# Altium PCB qfc.PcbDoc (part 3 of 13)
Units mil, origin at the board's own origin, x right, y up, seen from the top; angles counter-clockwise.
Board outline 1990 x 2620 mil, 4 copper layers (Top Layer, Mid-Layer 1, Mid-Layer 2, Bottom Layer); 217 components, 187 nets, 805 pads, 370 vias.
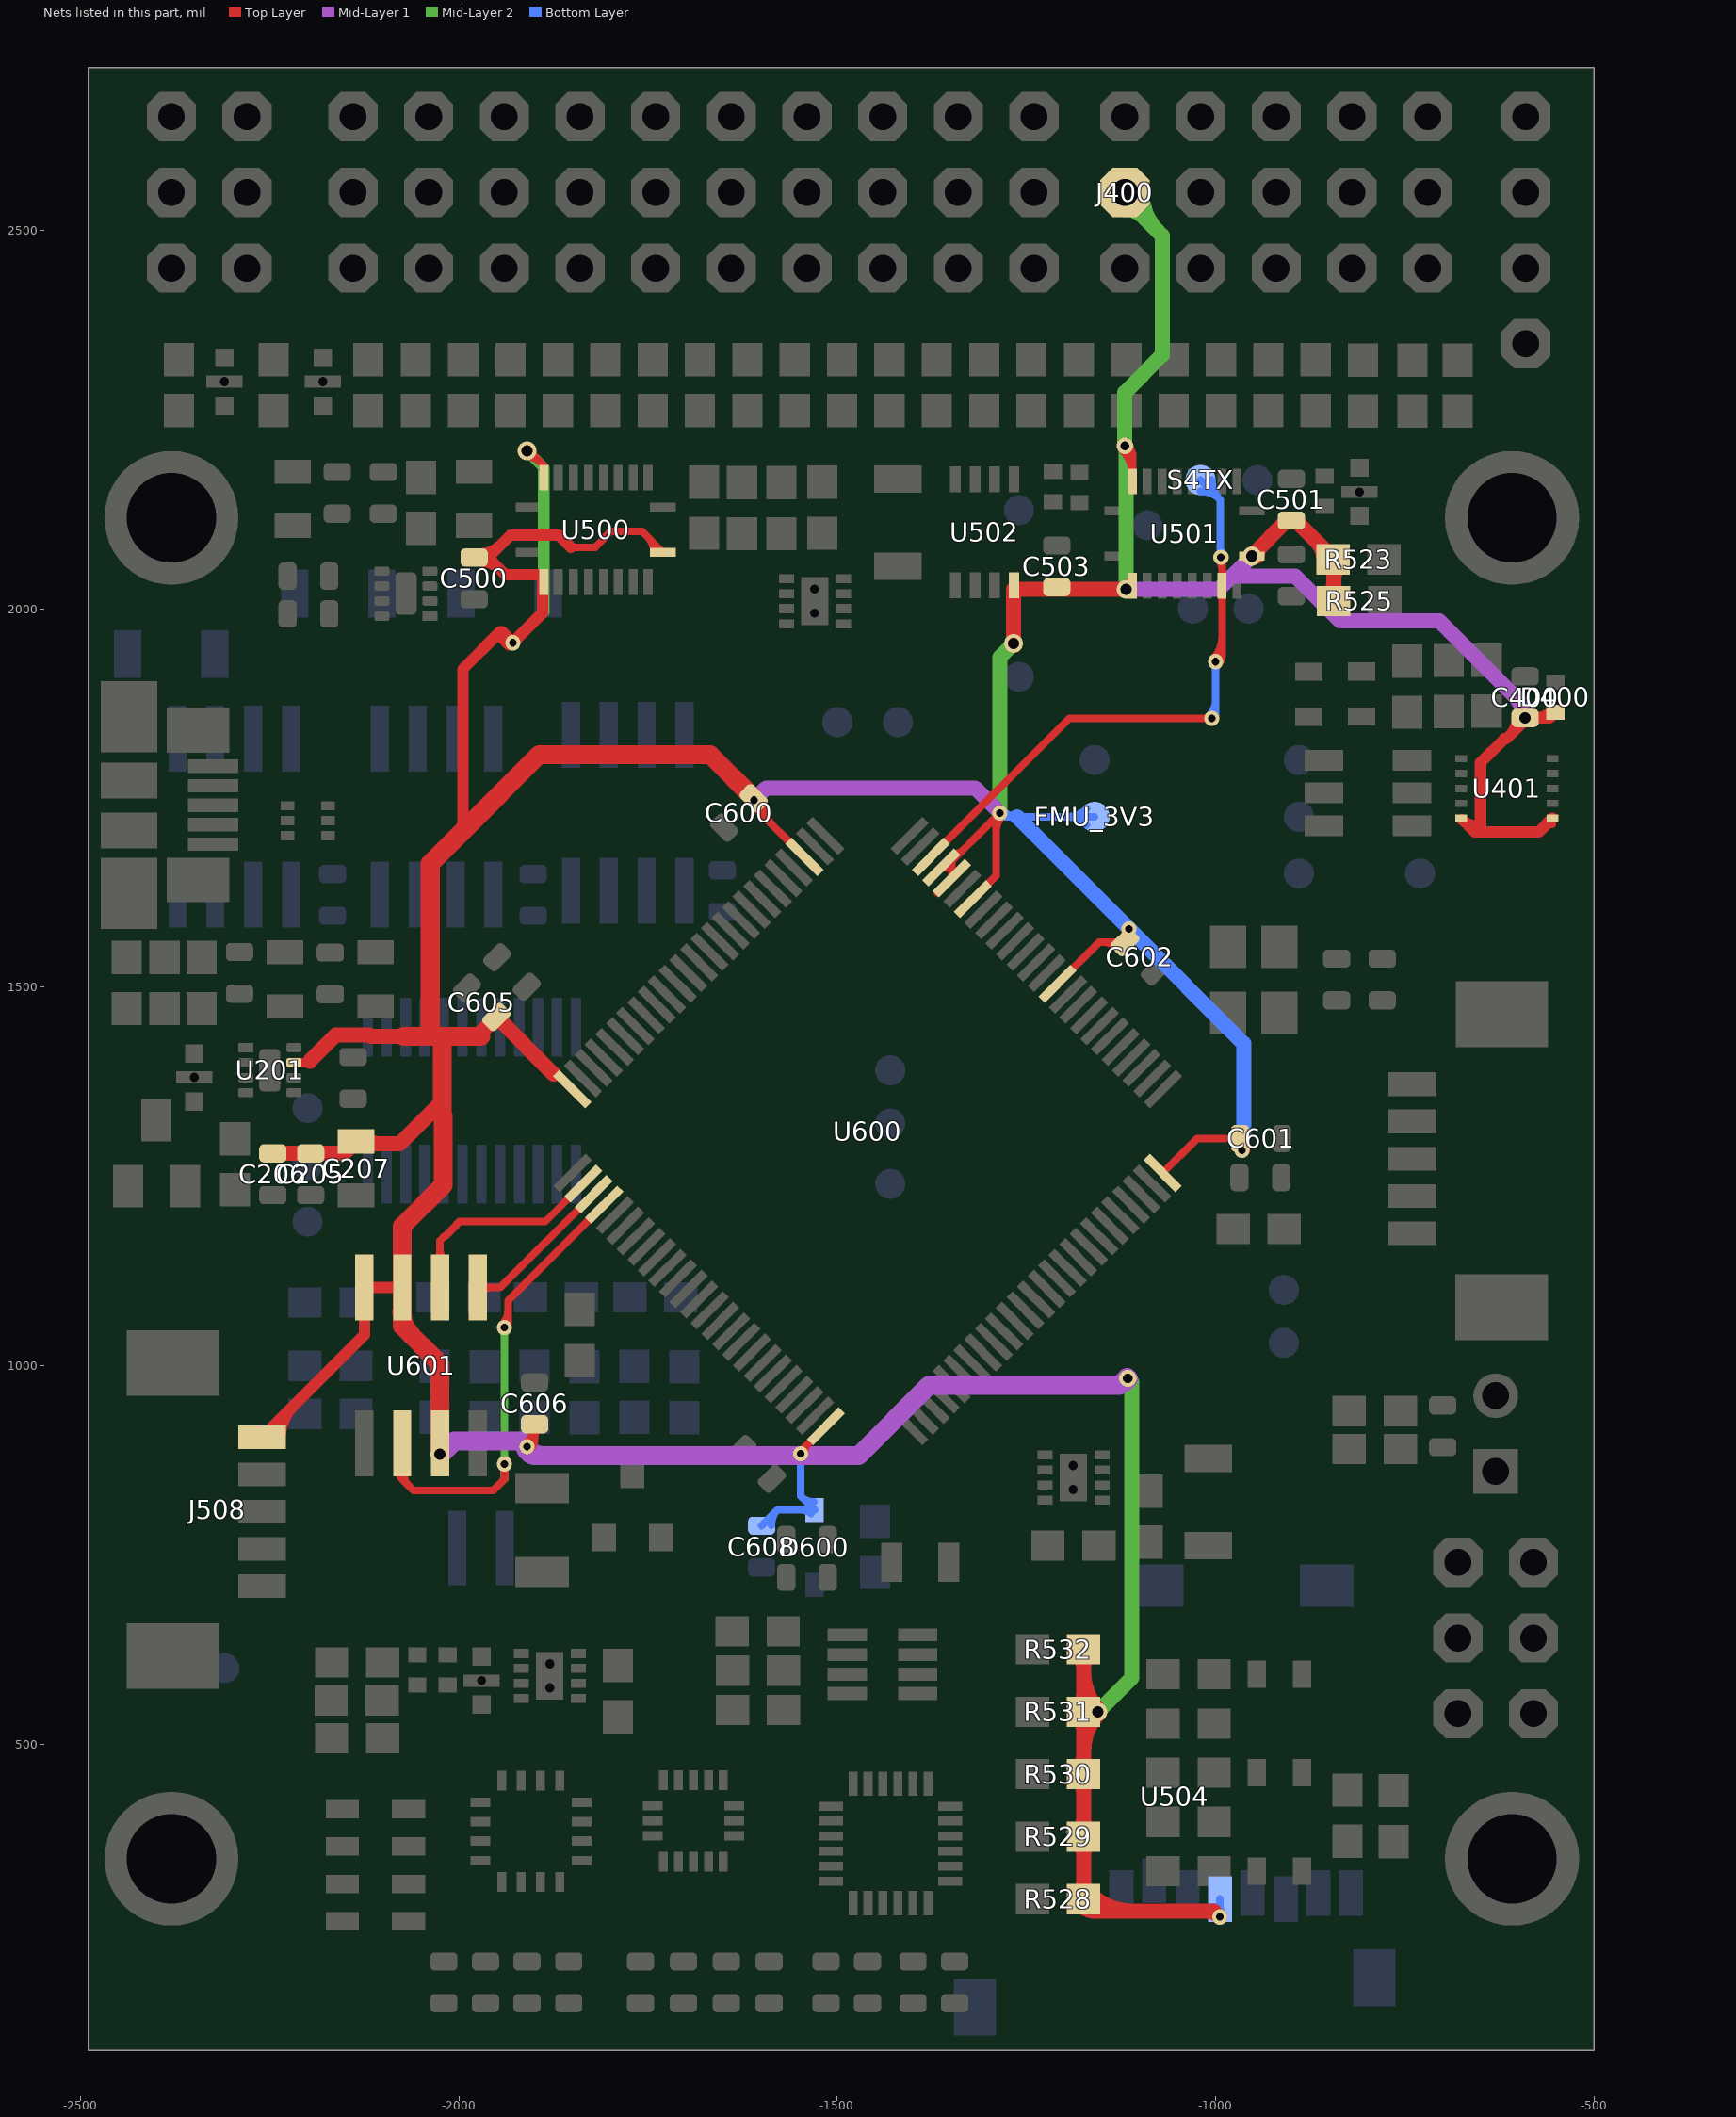
[diagram p5: the nets of this part, all layers, seen from the top]

## Via types
v1: diameter 20, hole 10, Top Layer to Bottom Layer, tented both sides, 256 vias
v2: diameter 22, hole 12, Top Layer to Bottom Layer, tented both sides, 31 vias
v3: diameter 25, hole 15, Top Layer to Bottom Layer, tented both sides, 29 vias
v4: diameter 20, hole 12, Top Layer to Bottom Layer, tented both sides, 17 vias
v5: diameter 30, hole 15, Top Layer to Bottom Layer, tented both sides, 12 vias
v6: diameter 25, hole 12, Top Layer to Bottom Layer, tented both sides, 11 vias
v7: diameter 25, hole 13, Top Layer to Bottom Layer, tented both sides, 5 vias
v8: diameter 40, hole 25, Top Layer to Bottom Layer, tented both sides, 2 vias
v9: diameter 23, hole 13, Top Layer to Bottom Layer, tented both sides, 2 vias
v10: diameter 30, hole 20, Top Layer to Bottom Layer, tented both sides, 2 vias
v11: diameter 20, hole 13, Top Layer to Bottom Layer, tented both sides, 1 vias
v12: diameter 20, hole 15, Top Layer to Bottom Layer, tented both sides, 1 vias
v13: diameter 30, hole 18, Top Layer to Bottom Layer, tented both sides, 1 vias

## Nets (pads, with @x,y where several pads share a name; then routed paths per layer and width w, separated by ;. In a path a pad name is that pad's centre, name@x,y a point inside that pad or via, vN(x,y) a via of type N, cw(c..) or ccw(c..) an arc to the next point about the centre after c; other vN are vias at no path point) (continued)
FMU-UART4_TX: S4TX.P$1 U501.8 U600.23 | length 1534
  Top Layer w10: U600.23@-1376.48,1671.91 -1193.39,1855 v1(-1005,1855) ; v1(-1000,1930) -991.54,1938.46 U501.8@-991.54,2030.06 -991.54,2066.54 v1(-993,2068) ; -1017.07,1855 cw(c-1017.07,1842.93) v1@-1008.54,1851.46 ; -1017.07,1855 ccw(c-1017.07,1867.07) v1@-1008.54,1858.54 ; -1017.07,1855 cw(c-1017.07,1842.93) v1@-1008.54,1851.46 ; -1017.07,1855 ccw(c-1017.07,1867.07) v1@-1008.54,1858.54 ; -1017.07,1855 cw(c-1017.07,1842.93) v1@-1008.54,1851.46 ; -1017.07,1855 ccw(c-1017.07,1867.07) v1@-1008.54,1858.54 ; -1017.07,1855 cw(c-1017.07,1842.93) v1@-1008.54,1851.46 ; -1017.07,1855 ccw(c-1017.07,1867.07) v1@-1008.54,1858.54 ; v1@-1003.54,1933.54 ccw(c-1032.48,1962.48) -991.54,1962.48 ; v1@-1003.54,1933.54 ccw(c-1032.48,1962.48) -991.54,1962.48 ; v1@-1003.54,1933.54 ccw(c-1032.48,1962.48) -991.54,1962.48 ; v1@-1003.54,1933.54 ccw(c-1032.48,1962.48) -991.54,1962.48 ; v1@-996.54,2064.46 cw(c-1008.58,2052.42) -991.54,2052.42 ; v1@-996.54,2064.46 cw(c-1008.58,2052.42) -991.54,2052.42 ; v1@-996.54,2064.46 cw(c-1008.58,2052.42) -991.54,2052.42 ; v1@-996.54,2064.46 cw(c-1008.58,2052.42) -991.54,2052.42 ; v1@-996.46,1926.46 ccw(c-1008.34,1938.34) -991.54,1938.34 ; v1@-996.46,1926.46 ccw(c-1008.34,1938.34) -991.54,1938.34 ; v1@-996.46,1926.46 ccw(c-1008.34,1938.34) -991.54,1938.34 ; v1@-996.46,1926.46 ccw(c-1008.34,1938.34) -991.54,1938.34
  Bottom Layer w10: S4TX.P$1@-1020,2170 -994,2144 -994,2069 v1(-993,2068) ; v1(-1005,1855) -1000,1860 v1(-1000,1930) ; S4TX.P$1@-1020,2155 cw(c-1020,2118.79) -994.39,2144.39 ; S4TX.P$1@-1020,2155 cw(c-1020,2118.79) -994.39,2144.39 ; S4TX.P$1@-1020,2155 cw(c-1020,2118.79) -994.39,2144.39 ; S4TX.P$1@-1020,2155 cw(c-1020,2118.79) -994.39,2144.39 ; v1@-1008.54,1858.54 ccw(c-1029.14,1879.14) -1000,1879.14 ; v1@-1008.54,1858.54 ccw(c-1029.14,1879.14) -1000,1879.14 ; v1@-1008.54,1858.54 ccw(c-1029.14,1879.14) -1000,1879.14 ; v1@-1008.54,1858.54 ccw(c-1029.14,1879.14) -1000,1879.14 ; S4TX.P$1@-1005,2170 ccw(c-968.79,2170) -994.39,2144.39 ; S4TX.P$1@-1005,2170 ccw(c-968.79,2170) -994.39,2144.39 ; S4TX.P$1@-1005,2170 ccw(c-968.79,2170) -994.39,2144.39 ; S4TX.P$1@-1005,2170 ccw(c-968.79,2170) -994.39,2144.39 ; v1@-1003.54,1926.46 cw(c-1012.07,1917.93) -1000,1917.93 ; v1@-1003.54,1926.46 cw(c-1012.07,1917.93) -1000,1917.93 ; v1@-1003.54,1926.46 cw(c-1012.07,1917.93) -1000,1917.93 ; v1@-1003.54,1926.46 cw(c-1012.07,1917.93) -1000,1917.93 ; -1000,1917.93 cw(c-987.93,1917.93) v1@-996.46,1926.46 ; -1000,1917.93 cw(c-987.93,1917.93) v1@-996.46,1926.46 ; -1000,1917.93 cw(c-987.93,1917.93) v1@-996.46,1926.46 ; -1000,1917.93 cw(c-987.93,1917.93) v1@-996.46,1926.46 ; -994,2082.49 ccw(c-978.51,2082.49) v1@-989.46,2071.54 ; -994,2082.49 ccw(c-978.51,2082.49) v1@-989.46,2071.54 ; -994,2082.49 ccw(c-978.51,2082.49) v1@-989.46,2071.54 ; -994,2082.49 ccw(c-978.51,2082.49) v1@-989.46,2071.54
FMU-VDD_3V3: C205.P$1 C206.P$1 C207.1 C400.P$1 C500.P$1 C501.P$1 C503.P$1 C600.P$1 C601.P$1 C602.P$1 C605.P$1 C606.P$1 C608.P$1 D400.C D600.A FMU_3V3.P$1 J400.VCC J508.1 R523.2 R525.2 R528.2 R529.2 R530.2 R531.2 R532.2 U201.7 U401.1 U401.10 U500.2 U500.10 U500.19 U501.2 U501.10 U501.19 U502.8 U504.4 U600.21 U600.22 U600.VDD U601.3 U601.7 U601.8 | length 18393.9
  Top Layer w10: C605.P$1@-1950.51,1460.51 C605.P$1@-1945.68,1460.51 ; v3(-1910.32,2208.68) -1907.68,2208.68 -1888,2189 U500.19@-1888,2173 ; v1(-1910,892.54) -1900,902.54 C606.P$1@-1900,922.44 ; -1852,2081 -1820.11,2081 -1799.11,2102 -1757.95,2102 U500.10@-1730.42,2074.47 ; v1(-1610,1747) -1610,1748.97 C600.P$1@-1610.51,1749.49 -1610.51,1738.9 U600.VDD@-1543.52,1671.91 ; v1@-1548.42,886.41 U600.VDD@-1515.15,919.68 ; U600.21@-1367.71,1625 U600.21@-1348.65,1644.07 U600.22@-1348.65,1666.35 ; U600.22@-1362.56,1657.99 -1357.01,1657.99 -1290,1725 -1290,1647.04 U600.VDD@-1320.81,1616.23 ; U502.8@-1266.61,2031 -1264.05,2028.44 C503.P$1@-1210,2028.44 C503.P$1@-1208.38,2030.06 ; U600.VDD@-1209,1504.43 -1153.94,1559.49 C602.P$1@-1119.49,1559.49 -1119.49,1575.51 -1118,1577 v1(-1114.49,1577) ; v2(-1120,2215) -1109.76,2204.76 U501.19@-1109.76,2167.96 ; U501.2@-1113.76,2030.06 U501.2@-1109.76,2030.06 ; U600.VDD@-1070.23,1254.29 -1024.52,1300 C601.P$1@-967.56,1300 -965,1297.44 v1(-965,1284) ; v3(-952.17,2069.43) C501.P$1@-905.17,2116.44 ; C501.P$1@-900,2116.44 -848.56,2065 R523.2@-845,2065 -844,2064 R525.2@-844,2010 ; U401.10@-675.63,1723 -665.26,1712.63 ; -555,1715 U401.1@-555,1723 ; v1@-1912.99,896.55 ccw(c-1932.3,922.44) C606.P$1@-1900,922.44 ; v1@-1912.99,896.55 ccw(c-1932.3,922.44) C606.P$1@-1900,922.44 ; v1@-1912.99,896.55 ccw(c-1932.3,922.44) C606.P$1@-1900,922.44 ; v1@-1912.99,896.55 ccw(c-1932.3,922.44) C606.P$1@-1900,922.44 ; v3@-1910.32,2201.18 cw(c-1910.32,2176.68) -1893,2194 ; v3@-1910.32,2201.18 cw(c-1910.32,2176.68) -1893,2194 ; v3@-1910.32,2201.18 cw(c-1910.32,2176.68) -1893,2194 ; v3@-1910.32,2201.18 cw(c-1910.32,2176.68) -1893,2194 ; v1@-1907.01,888.53 ccw(c-1917.43,902.51) -1900,902.51 ; v1@-1907.01,888.53 ccw(c-1917.43,902.51) -1900,902.51 ; v1@-1907.01,888.53 ccw(c-1917.43,902.51) -1900,902.51 ; v1@-1907.01,888.53 ccw(c-1917.43,902.51) -1900,902.51 ; C606.P$1@-1904.95,917.49 cw(c-1916.9,905.54) -1900,905.54 ; C606.P$1@-1904.95,917.49 cw(c-1916.9,905.54) -1900,905.54 ; C606.P$1@-1904.95,917.49 cw(c-1916.9,905.54) -1900,905.54 ; C606.P$1@-1904.95,917.49 cw(c-1916.9,905.54) -1900,905.54 ; v3@-1902.82,2208.68 ccw(c-1891.11,2208.68) -1899.39,2200.39 ; v3@-1902.82,2208.68 ccw(c-1891.11,2208.68) -1899.39,2200.39 ; v3@-1902.82,2208.68 ccw(c-1891.11,2208.68) -1899.39,2200.39 ; v3@-1902.82,2208.68 ccw(c-1891.11,2208.68) -1899.39,2200.39 ; -1900,905.54 cw(c-1883.1,905.54) C606.P$1@-1895.05,917.49 ; -1900,905.54 cw(c-1883.1,905.54) C606.P$1@-1895.05,917.49 ; -1900,905.54 cw(c-1883.1,905.54) C606.P$1@-1895.05,917.49 ; -1900,905.54 cw(c-1883.1,905.54) C606.P$1@-1895.05,917.49 ; -1893.24,2194.24 cw(c-1903.48,2184) U500.19@-1889,2184 ; -1893.24,2194.24 cw(c-1903.48,2184) U500.19@-1889,2184 ; -1893.24,2194.24 cw(c-1903.48,2184) U500.19@-1889,2184 ; -1893.24,2194.24 cw(c-1903.48,2184) U500.19@-1889,2184 ; -1750.9,2094.96 cw(c-1771.39,2074.47) U500.10@-1742.42,2074.47 ; -1750.9,2094.96 cw(c-1771.39,2074.47) U500.10@-1742.42,2074.47 ; -1750.9,2094.96 cw(c-1771.39,2074.47) U500.10@-1742.42,2074.47 ; -1750.9,2094.96 cw(c-1771.39,2074.47) U500.10@-1742.42,2074.47 ; U500.10@-1733.83,2077.89 cw(c-1737.25,2074.47) U500.10@-1732.42,2074.47 ; U500.10@-1733.83,2077.89 cw(c-1737.25,2074.47) U500.10@-1732.42,2074.47 ; U500.10@-1733.83,2077.89 cw(c-1737.25,2074.47) U500.10@-1732.42,2074.47 ; U500.10@-1733.83,2077.89 cw(c-1737.25,2074.47) U500.10@-1732.42,2074.47 ; C600.P$1@-1609.27,1745.24 ccw(c-1590.96,1745.24) C600.P$1@-1603.91,1732.3 ; C600.P$1@-1609.27,1745.24 ccw(c-1590.96,1745.24) C600.P$1@-1603.91,1732.3 ; C600.P$1@-1609.27,1745.24 ccw(c-1590.96,1745.24) C600.P$1@-1603.91,1732.3 ; C600.P$1@-1609.27,1745.24 ccw(c-1590.96,1745.24) C600.P$1@-1603.91,1732.3 ; C600.P$1@-1605,1747 ccw(c-1572.14,1747) -1595.38,1723.76 ; C600.P$1@-1605,1747 ccw(c-1572.14,1747) -1595.38,1723.76 ; C600.P$1@-1605,1747 ccw(c-1572.14,1747) -1595.38,1723.76 ; C600.P$1@-1605,1747 ccw(c-1572.14,1747) -1595.38,1723.76 ; C600.P$1@-1599.27,1745.24 ccw(c-1556.82,1745.24) -1586.84,1715.22 ; C600.P$1@-1599.27,1745.24 ccw(c-1556.82,1745.24) -1586.84,1715.22 ; C600.P$1@-1599.27,1745.24 ccw(c-1556.82,1745.24) -1586.84,1715.22 ; C600.P$1@-1599.27,1745.24 ccw(c-1556.82,1745.24) -1586.84,1715.22 ; v1@-1543.42,883.59 cw(c-1524.52,883.59) -1537.88,896.95 ; v1@-1543.42,883.59 cw(c-1524.52,883.59) -1537.88,896.95 ; v1@-1543.42,883.59 cw(c-1524.52,883.59) -1537.88,896.95 ; v1@-1543.42,883.59 cw(c-1524.52,883.59) -1537.88,896.95 ; U600.22@-1345.59,1675.96 ccw(c-1345.59,1691.77) -1334.41,1680.59 ; U600.22@-1345.59,1675.96 ccw(c-1345.59,1691.77) -1334.41,1680.59 ; U600.22@-1345.59,1675.96 ccw(c-1345.59,1691.77) -1334.41,1680.59 ; U600.22@-1345.59,1675.96 ccw(c-1345.59,1691.77) -1334.41,1680.59 ; -1293.54,1721.46 cw(c-1285,1712.93) v1@-1285,1725 ; -1293.54,1721.46 ccw(c-1302.07,1730) v1@-1290,1730 ; -1293.54,1721.46 cw(c-1285,1712.93) v1@-1285,1725 ; -1293.54,1721.46 ccw(c-1302.07,1730) v1@-1290,1730 ; -1293.54,1721.46 cw(c-1285,1712.93) v1@-1285,1725 ; -1293.54,1721.46 ccw(c-1302.07,1730) v1@-1290,1730 ; -1293.54,1721.46 cw(c-1285,1712.93) v1@-1285,1725 ; -1293.54,1721.46 ccw(c-1302.07,1730) v1@-1290,1730 ; -1290,1705.86 cw(c-1260.86,1705.86) v1@-1281.46,1726.46 ; -1290,1705.86 cw(c-1260.86,1705.86) v1@-1281.46,1726.46 ; -1290,1705.86 cw(c-1260.86,1705.86) v1@-1281.46,1726.46 ; -1290,1705.86 cw(c-1260.86,1705.86) v1@-1281.46,1726.46 ; U502.8@-1265.2,2032.41 ccw(c-1255.61,2042.01) -1255.61,2028.44 ; U502.8@-1265.2,2032.41 ccw(c-1255.61,2042.01) -1255.61,2028.44 ; U502.8@-1265.2,2032.41 ccw(c-1255.61,2042.01) -1255.61,2028.44 ; U502.8@-1265.2,2032.41 ccw(c-1255.61,2042.01) -1255.61,2028.44 ; -1232.9,2028.44 cw(c-1232.9,2011.54) C503.P$1@-1220.95,2023.49 ; -1232.9,2028.44 ccw(c-1232.9,2045.34) C503.P$1@-1220.95,2033.39 ; -1232.9,2028.44 cw(c-1232.9,2011.54) C503.P$1@-1220.95,2023.49 ; -1232.9,2028.44 ccw(c-1232.9,2045.34) C503.P$1@-1220.95,2033.39 ; -1232.9,2028.44 cw(c-1232.9,2011.54) C503.P$1@-1220.95,2023.49 ; -1232.9,2028.44 ccw(c-1232.9,2045.34) C503.P$1@-1220.95,2033.39 ; -1232.9,2028.44 cw(c-1232.9,2011.54) C503.P$1@-1220.95,2023.49 ; -1232.9,2028.44 ccw(c-1232.9,2045.34) C503.P$1@-1220.95,2033.39 ; -1150.87,1559.49 cw(c-1150.87,1528.1) C602.P$1@-1128.68,1550.29 ; -1150.87,1559.49 cw(c-1150.87,1528.1) C602.P$1@-1128.68,1550.29 ; -1150.87,1559.49 cw(c-1150.87,1528.1) C602.P$1@-1128.68,1550.29 ; -1150.87,1559.49 cw(c-1150.87,1528.1) C602.P$1@-1128.68,1550.29 ; v2@-1124.24,2210.76 cw(c-1159.21,2175.79) U501.19@-1109.76,2175.79 ; v2@-1124.24,2210.76 cw(c-1159.21,2175.79) U501.19@-1109.76,2175.79 ; v2@-1124.24,2210.76 cw(c-1159.21,2175.79) U501.19@-1109.76,2175.79 ; v2@-1124.24,2210.76 cw(c-1159.21,2175.79) U501.19@-1109.76,2175.79 ; C602.P$1@-1119.49,1558.79 cw(c-1102.9,1558.79) C602.P$1@-1111.8,1572.78 ; C602.P$1@-1119.49,1558.79 cw(c-1102.9,1558.79) C602.P$1@-1111.8,1572.78 ; C602.P$1@-1119.49,1558.79 cw(c-1102.9,1558.79) C602.P$1@-1111.8,1572.78 ; C602.P$1@-1119.49,1558.79 cw(c-1102.9,1558.79) C602.P$1@-1111.8,1572.78 ; v2@-1117.17,2217.83 cw(c-1135.07,2199.93) -1109.76,2199.93 ; v2@-1117.17,2217.83 cw(c-1135.07,2199.93) -1109.76,2199.93 ; v2@-1117.17,2217.83 cw(c-1135.07,2199.93) -1109.76,2199.93 ; v2@-1117.17,2217.83 cw(c-1135.07,2199.93) -1109.76,2199.93 ; -984.46,1300 cw(c-984.46,1283.1) C601.P$1@-972.51,1295.05 ; -984.46,1300 ccw(c-984.46,1316.9) C601.P$1@-972.51,1304.95 ; -984.46,1300 cw(c-984.46,1283.1) C601.P$1@-972.51,1295.05 ; -984.46,1300 ccw(c-984.46,1316.9) C601.P$1@-972.51,1304.95 ; -984.46,1300 cw(c-984.46,1283.1) C601.P$1@-972.51,1295.05 ; -984.46,1300 ccw(c-984.46,1316.9) C601.P$1@-972.51,1304.95 ; -984.46,1300 cw(c-984.46,1283.1) C601.P$1@-972.51,1295.05 ; -984.46,1300 ccw(c-984.46,1316.9) C601.P$1@-972.51,1304.95 ; C601.P$1@-968.54,1287.54 ccw(c-977.07,1296.07) C601.P$1@-965,1296.07 ; C601.P$1@-968.54,1287.54 ccw(c-977.07,1296.07) C601.P$1@-965,1296.07 ; C601.P$1@-968.54,1287.54 ccw(c-977.07,1296.07) C601.P$1@-965,1296.07 ; C601.P$1@-965,1296.07 ccw(c-952.93,1296.07) C601.P$1@-961.46,1287.54 ; C601.P$1@-965,1296.07 ccw(c-952.93,1296.07) C601.P$1@-961.46,1287.54 ; C601.P$1@-965,1296.07 ccw(c-952.93,1296.07) C601.P$1@-961.46,1287.54 ; C601.P$1@-963.25,1295.69 cw(c-972.25,1286.69) C601.P$1@-960.31,1282.26 ; C601.P$1@-963.25,1295.69 cw(c-972.25,1286.69) C601.P$1@-960.31,1282.26 ; C601.P$1@-963.25,1295.69 cw(c-972.25,1286.69) C601.P$1@-960.31,1282.26 ; C601.P$1@-963.25,1295.69 cw(c-972.25,1286.69) C601.P$1@-960.31,1282.26 ; v3@-952.17,2076.93 ccw(c-952.17,2095.04) -939.37,2082.24 ; v3@-952.17,2076.93 ccw(c-952.17,2095.04) -939.37,2082.24 ; v3@-952.17,2076.93 ccw(c-952.17,2095.04) -939.37,2082.24 ; v3@-952.17,2076.93 ccw(c-952.17,2095.04) -939.37,2082.24 ; U501.10@-950.17,2069.43 cw(c-945.35,2069.43) U501.10@-948.76,2072.85 ; U501.10@-950.17,2069.43 cw(c-945.35,2069.43) U501.10@-948.76,2072.85 ; U501.10@-950.17,2069.43 cw(c-945.35,2069.43) U501.10@-948.76,2072.85 ; U501.10@-950.17,2069.43 cw(c-945.35,2069.43) U501.10@-948.76,2072.85 ; U501.10@-944.67,2069.43 cw(c-926.57,2069.43) -939.37,2082.24 ; U501.10@-944.67,2069.43 cw(c-926.57,2069.43) -939.37,2082.24 ; U501.10@-944.67,2069.43 cw(c-926.57,2069.43) -939.37,2082.24 ; U501.10@-944.67,2069.43 cw(c-926.57,2069.43) -939.37,2082.24 ; U501.10@-940.17,2069.43 cw(c-911.2,2069.43) -931.69,2089.92 ; U501.10@-940.17,2069.43 cw(c-911.2,2069.43) -931.69,2089.92 ; U501.10@-940.17,2069.43 cw(c-911.2,2069.43) -931.69,2089.92 ; U501.10@-940.17,2069.43 cw(c-911.2,2069.43) -931.69,2089.92 ; -918.54,2103.07 ccw(c-931.91,2116.44) C501.P$1@-913,2116.44 ; -918.54,2103.07 ccw(c-931.91,2116.44) C501.P$1@-913,2116.44 ; -918.54,2103.07 ccw(c-931.91,2116.44) C501.P$1@-913,2116.44 ; -918.54,2103.07 ccw(c-931.91,2116.44) C501.P$1@-913,2116.44 ; -916.53,2105.08 cw(c-906,2094.55) C501.P$1@-906,2109.44 ; -916.53,2105.08 cw(c-906,2094.55) C501.P$1@-906,2109.44 ; -916.53,2105.08 cw(c-906,2094.55) C501.P$1@-906,2109.44 ; -916.53,2105.08 cw(c-906,2094.55) C501.P$1@-906,2109.44 ; C501.P$1@-887,2116.44 ccw(c-855.62,2116.44) -877.81,2094.25 ; C501.P$1@-887,2116.44 ccw(c-855.62,2116.44) -877.81,2094.25 ; C501.P$1@-887,2116.44 ccw(c-855.62,2116.44) -877.81,2094.25 ; C501.P$1@-887,2116.44 ccw(c-855.62,2116.44) -877.81,2094.25 ; -875.27,2091.71 ccw(c-847,2119.98) R523.2@-847,2080 ; -875.27,2091.71 ccw(c-847,2119.98) R523.2@-847,2080 ; -875.27,2091.71 ccw(c-847,2119.98) R523.2@-847,2080 ; -875.27,2091.71 ccw(c-847,2119.98) R523.2@-847,2080 ; -871.5,2087.95 cw(c-894.45,2065) R523.2@-862,2065 ; -871.5,2087.95 cw(c-894.45,2065) R523.2@-862,2065 ; -871.5,2087.95 cw(c-894.45,2065) R523.2@-862,2065 ; -871.5,2087.95 cw(c-894.45,2065) R523.2@-862,2065 ; R525.2@-854.61,2020.61 ccw(c-880.21,2046.21) R523.2@-844,2046.21 ; R525.2@-854.61,2020.61 ccw(c-880.21,2046.21) R523.2@-844,2046.21 ; R525.2@-854.61,2020.61 ccw(c-880.21,2046.21) R523.2@-844,2046.21 ; R525.2@-854.61,2020.61 ccw(c-880.21,2046.21) R523.2@-844,2046.21 ; R523.2@-853.61,2054.39 cw(c-876.8,2031.2) -844,2031.2 ; R523.2@-853.61,2054.39 cw(c-876.8,2031.2) -844,2031.2 ; R523.2@-853.61,2054.39 cw(c-876.8,2031.2) -844,2031.2 ; R523.2@-853.61,2054.39 cw(c-876.8,2031.2) -844,2031.2 ; R525.2@-844,2026.37 cw(c-804.37,2026.37) R523.2@-832.39,2054.39 ; R525.2@-844,2026.37 cw(c-804.37,2026.37) R523.2@-832.39,2054.39 ; R525.2@-844,2026.37 cw(c-804.37,2026.37) R523.2@-832.39,2054.39 ; R525.2@-844,2026.37 cw(c-804.37,2026.37) R523.2@-832.39,2054.39 ; R523.2@-844,2046.21 ccw(c-807.79,2046.21) R525.2@-833.39,2020.61 ; R523.2@-844,2046.21 ccw(c-807.79,2046.21) R525.2@-833.39,2020.61 ; R523.2@-844,2046.21 ccw(c-807.79,2046.21) R525.2@-833.39,2020.61 ; R523.2@-844,2046.21 ccw(c-807.79,2046.21) R525.2@-833.39,2020.61 ; U401.10@-672.76,1723 ccw(c-665.82,1723) U401.10@-670.72,1718.09 ; U401.10@-672.76,1723 ccw(c-665.82,1723) U401.10@-670.72,1718.09 ; U401.10@-672.76,1723 ccw(c-665.82,1723) U401.10@-670.72,1718.09 ; U401.10@-672.76,1723 ccw(c-665.82,1723) U401.10@-670.72,1718.09
  Top Layer w13: U201.7@-2218,1400 -2199.36,1400 -2197.21,1402.16
  Top Layer w15: J508.1@-2260,905.28 -2125,1040.28 U601.8@-2125,1103 U601.7@-2075,1103 ; -1995,1706 -1995,1920 -1945.46,1969.54 ; v1(-1929,1954.89) -1929,1955.58 -1942.96,1969.54 -1942.96,1961.14 -1933.82,1952 -1931.89,1952 -1889.5,1994.39 -1889.5,2045 -1938.88,2045 -1961.44,2067.56 -1932,2097 -1868,2097 -1852,2081 ; U401.1@-555,1723 -573,1705 -657.63,1705 -665.26,1712.63 -650,1712.63 -650,1796.44 -618.4,1828.04 -615.99,1828.04 -591,1853.03 v3(-591,1855.44) -558.88,1855.44 D400.C@-551,1863.32 ; J508.1@-2236,905.28 cw(c-2178.07,905.28) -2219.04,946.24 ; J508.1@-2236,905.28 cw(c-2178.07,905.28) -2219.04,946.24 ; J508.1@-2236,905.28 cw(c-2178.07,905.28) -2219.04,946.24 ; J508.1@-2236,905.28 cw(c-2178.07,905.28) -2219.04,946.24 ; C500.P$1@-1974,2063.06 cw(c-1974,2021.87) -1944.88,2051 ; C500.P$1@-1974,2063.06 cw(c-1974,2021.87) -1944.88,2051 ; C500.P$1@-1974,2063.06 cw(c-1974,2021.87) -1944.88,2051 ; C500.P$1@-1974,2063.06 cw(c-1974,2021.87) -1944.88,2051 ; C500.P$1@-1974,2072.06 ccw(c-1974,2113.25) -1944.88,2084.12 ; C500.P$1@-1974,2072.06 ccw(c-1974,2113.25) -1944.88,2084.12 ; C500.P$1@-1974,2072.06 ccw(c-1974,2113.25) -1944.88,2084.12 ; C500.P$1@-1974,2072.06 ccw(c-1974,2113.25) -1944.88,2084.12 ; C500.P$1@-1971.82,2063.62 cw(c-1965.05,2051.39) -1955.16,2061.28 ; C500.P$1@-1971.82,2063.62 cw(c-1965.05,2051.39) -1955.16,2061.28 ; C500.P$1@-1971.82,2063.62 cw(c-1965.05,2051.39) -1955.16,2061.28 ; C500.P$1@-1971.82,2063.62 cw(c-1965.05,2051.39) -1955.16,2061.28 ; U401.10@-674.5,1721.18 ccw(c-653.87,1741.8) -653.87,1712.63 ; U401.10@-674.5,1721.18 ccw(c-653.87,1741.8) -653.87,1712.63 ; U401.10@-674.5,1721.18 ccw(c-653.87,1741.8) -653.87,1712.63 ; U401.10@-674.5,1721.18 ccw(c-653.87,1741.8) -653.87,1712.63 ; -610.63,1833.4 ccw(c-632.67,1855.44) C400.P$1@-601.5,1855.44 ; -610.63,1833.4 ccw(c-632.67,1855.44) C400.P$1@-601.5,1855.44 ; -610.63,1833.4 ccw(c-632.67,1855.44) C400.P$1@-601.5,1855.44 ; -610.63,1833.4 ccw(c-632.67,1855.44) C400.P$1@-601.5,1855.44 ; -601.24,1842.79 ccw(c-613.89,1855.44) C400.P$1@-596,1855.44 ; -601.24,1842.79 ccw(c-613.89,1855.44) C400.P$1@-596,1855.44 ; -601.24,1842.79 ccw(c-613.89,1855.44) C400.P$1@-596,1855.44 ; -601.24,1842.79 ccw(c-613.89,1855.44) C400.P$1@-596,1855.44 ; C400.P$1@-578.05,1855.44 ccw(c-578.05,1888.37) D400.C@-554.77,1865.08 ; C400.P$1@-578.05,1855.44 ccw(c-578.05,1888.37) D400.C@-554.77,1865.08 ; C400.P$1@-578.05,1855.44 ccw(c-578.05,1888.37) D400.C@-554.77,1865.08 ; C400.P$1@-578.05,1855.44 ccw(c-578.05,1888.37) D400.C@-554.77,1865.08
  Top Layer w20: C206.P$1@-2246,1280.25 C205.P$1@-2196,1280.25 -2151.87,1280.25 C207.1@-2136,1296.13 -2132.87,1293 -2078,1293 -2022,1349 ; -2197.21,1402.16 -2162.81,1436.56 -2118.47,1436.56 ; -2116.91,1435 -2073,1435 ; -1976.03,1435 C605.P$1@-1950.51,1460.51 -1875.29,1385.3 -1874.7,1385.3 ; v3(-1267,1954) -1267,2025.49 v3(-1118.32,2025.49) U501.2@-1113.76,2030.06 ; R532.2@-1174.5,625 R531.2@-1174.5,542.5 ; v3(-1155.5,542.5) R531.2@-1174.5,542.5 ; v3(-952.17,2069.43) -952.17,2069.91 -905.65,2116.44 -894.35,2116.44 -844,2066.09 R525.2@-844,2010 ; C207.1@-2123.76,1300.37 ccw(c-2105.97,1318.16) -2105.97,1293 ; C207.1@-2123.76,1300.37 ccw(c-2105.97,1318.16) -2105.97,1293 ; C207.1@-2123.76,1300.37 ccw(c-2105.97,1318.16) -2105.97,1293 ; C207.1@-2123.76,1300.37 ccw(c-2105.97,1318.16) -2105.97,1293 ; C503.P$1@-1227.94,2025.49 ccw(c-1227.94,2040.38) C503.P$1@-1217.41,2029.86 ; C503.P$1@-1227.94,2025.49 ccw(c-1227.94,2040.38) C503.P$1@-1217.41,2029.86 ; C503.P$1@-1227.94,2025.49 ccw(c-1227.94,2040.38) C503.P$1@-1217.41,2029.86 ; C503.P$1@-1227.94,2025.49 ccw(c-1227.94,2040.38) C503.P$1@-1217.41,2029.86 ; C503.P$1@-1202.59,2029.86 ccw(c-1192.06,2040.38) C503.P$1@-1192.06,2025.49 ; C503.P$1@-1202.59,2029.86 ccw(c-1192.06,2040.38) C503.P$1@-1192.06,2025.49 ; C503.P$1@-1202.59,2029.86 ccw(c-1192.06,2040.38) C503.P$1@-1192.06,2025.49 ; C503.P$1@-1202.59,2029.86 ccw(c-1192.06,2040.38) C503.P$1@-1192.06,2025.49 ; R528.2@-1181.57,302.07 ccw(c-1198.65,319.14) -1174.5,319.14 ; R528.2@-1181.57,302.07 ccw(c-1198.65,319.14) -1174.5,319.14 ; R528.2@-1181.57,302.07 ccw(c-1198.65,319.14) -1174.5,319.14 ; R528.2@-1181.57,302.07 ccw(c-1198.65,319.14) -1174.5,319.14 ; R529.2@-1181.57,370.43 cw(c-1198.65,353.36) -1174.5,353.36 ; R529.2@-1181.57,370.43 cw(c-1198.65,353.36) -1174.5,353.36 ; R529.2@-1181.57,370.43 cw(c-1198.65,353.36) -1174.5,353.36 ; R529.2@-1181.57,370.43 cw(c-1198.65,353.36) -1174.5,353.36 ; R529.2@-1181.57,384.57 ccw(c-1198.65,401.64) -1174.5,401.64 ; R529.2@-1181.57,384.57 ccw(c-1198.65,401.64) -1174.5,401.64 ; R529.2@-1181.57,384.57 ccw(c-1198.65,401.64) -1174.5,401.64 ; R529.2@-1181.57,384.57 ccw(c-1198.65,401.64) -1174.5,401.64 ; R530.2@-1181.57,452.93 cw(c-1198.65,435.86) -1174.5,435.86 ; R530.2@-1181.57,452.93 cw(c-1198.65,435.86) -1174.5,435.86 ; R530.2@-1181.57,452.93 cw(c-1198.65,435.86) -1174.5,435.86 ; R530.2@-1181.57,452.93 cw(c-1198.65,435.86) -1174.5,435.86 ; R530.2@-1181.57,467.07 ccw(c-1198.65,484.14) -1174.5,484.14 ; R530.2@-1181.57,467.07 ccw(c-1198.65,484.14) -1174.5,484.14 ; R530.2@-1181.57,467.07 ccw(c-1198.65,484.14) -1174.5,484.14 ; R530.2@-1181.57,467.07 ccw(c-1198.65,484.14) -1174.5,484.14 ; R531.2@-1181.57,535.43 cw(c-1198.65,518.36) -1174.5,518.36 ; R531.2@-1181.57,535.43 cw(c-1198.65,518.36) -1174.5,518.36 ; R531.2@-1181.57,535.43 cw(c-1198.65,518.36) -1174.5,518.36 ; R531.2@-1181.57,535.43 cw(c-1198.65,518.36) -1174.5,518.36 ; R531.2@-1181.57,549.57 ccw(c-1198.65,566.64) -1174.5,566.64 ; R531.2@-1181.57,549.57 ccw(c-1198.65,566.64) -1174.5,566.64 ; R531.2@-1181.57,549.57 ccw(c-1198.65,566.64) -1174.5,566.64 ; R531.2@-1181.57,549.57 ccw(c-1198.65,566.64) -1174.5,566.64 ; R532.2@-1181.57,617.93 cw(c-1198.65,600.86) -1174.5,600.86 ; R532.2@-1181.57,617.93 cw(c-1198.65,600.86) -1174.5,600.86 ; R532.2@-1181.57,617.93 cw(c-1198.65,600.86) -1174.5,600.86 ; R532.2@-1181.57,617.93 cw(c-1198.65,600.86) -1174.5,600.86 ; R528.2@-1179.57,287.93 ccw(c-1158.02,309.48) R528.2@-1158.02,279 ; R528.2@-1179.57,287.93 ccw(c-1158.02,309.48) R528.2@-1158.02,279 ; R528.2@-1179.57,287.93 ccw(c-1158.02,309.48) R528.2@-1158.02,279 ; R528.2@-1179.57,287.93 ccw(c-1158.02,309.48) R528.2@-1158.02,279 ; -1174.5,319.14 ccw(c-1150.36,319.14) R528.2@-1167.43,302.07 ; -1174.5,319.14 ccw(c-1150.36,319.14) R528.2@-1167.43,302.07 ; -1174.5,319.14 ccw(c-1150.36,319.14) R528.2@-1167.43,302.07 ; -1174.5,319.14 ccw(c-1150.36,319.14) R528.2@-1167.43,302.07 ; -1174.5,353.36 cw(c-1150.36,353.36) R529.2@-1167.43,370.43 ; -1174.5,353.36 cw(c-1150.36,353.36) R529.2@-1167.43,370.43 ; -1174.5,353.36 cw(c-1150.36,353.36) R529.2@-1167.43,370.43 ; -1174.5,353.36 cw(c-1150.36,353.36) R529.2@-1167.43,370.43 ; -1174.5,401.64 ccw(c-1150.36,401.64) R529.2@-1167.43,384.57 ; -1174.5,401.64 ccw(c-1150.36,401.64) R529.2@-1167.43,384.57 ; -1174.5,401.64 ccw(c-1150.36,401.64) R529.2@-1167.43,384.57 ; -1174.5,401.64 ccw(c-1150.36,401.64) R529.2@-1167.43,384.57 ; -1174.5,435.86 cw(c-1150.36,435.86) R530.2@-1167.43,452.93 ; -1174.5,435.86 cw(c-1150.36,435.86) R530.2@-1167.43,452.93 ; -1174.5,435.86 cw(c-1150.36,435.86) R530.2@-1167.43,452.93 ; -1174.5,435.86 cw(c-1150.36,435.86) R530.2@-1167.43,452.93 ; -1174.5,484.14 ccw(c-1150.36,484.14) R530.2@-1167.43,467.07 ; -1174.5,484.14 ccw(c-1150.36,484.14) R530.2@-1167.43,467.07 ; -1174.5,484.14 ccw(c-1150.36,484.14) R530.2@-1167.43,467.07 ; -1174.5,484.14 ccw(c-1150.36,484.14) R530.2@-1167.43,467.07 ; -1174.5,490.59 cw(c-1103.59,490.59) R531.2@-1153.73,540.73 ; -1174.5,490.59 cw(c-1103.59,490.59) R531.2@-1153.73,540.73 ; -1174.5,490.59 cw(c-1103.59,490.59) R531.2@-1153.73,540.73 ; -1174.5,490.59 cw(c-1103.59,490.59) R531.2@-1153.73,540.73 ; -1174.5,518.36 cw(c-1150.36,518.36) R531.2@-1167.43,535.43 ; -1174.5,518.36 cw(c-1150.36,518.36) R531.2@-1167.43,535.43 ; -1174.5,518.36 cw(c-1150.36,518.36) R531.2@-1167.43,535.43 ; -1174.5,518.36 cw(c-1150.36,518.36) R531.2@-1167.43,535.43 ; R531.2@-1174.5,538.87 cw(c-1151.87,538.87) R531.2@-1167.88,554.87 ; R531.2@-1174.5,538.87 cw(c-1151.87,538.87) R531.2@-1167.88,554.87 ; R531.2@-1174.5,538.87 cw(c-1151.87,538.87) R531.2@-1167.88,554.87 ; R531.2@-1174.5,538.87 cw(c-1151.87,538.87) R531.2@-1167.88,554.87 ; R531.2@-1174.5,542.5 R530.2@-1174.5,460 R529.2@-1174.5,377.5 R528.2@-1174.5,295 -1158.5,279 -1002,279 v1(-994.32,271.32) ; R531.2@-1174.5,546.13 ccw(c-1151.87,546.13) R531.2@-1167.88,530.12 ; R531.2@-1174.5,546.13 ccw(c-1151.87,546.13) R531.2@-1167.88,530.12 ; R531.2@-1174.5,546.13 ccw(c-1151.87,546.13) R531.2@-1167.88,530.12 ; R531.2@-1174.5,546.13 ccw(c-1151.87,546.13) R531.2@-1167.88,530.12 ; -1174.5,566.64 ccw(c-1150.36,566.64) R531.2@-1167.43,549.57 ; -1174.5,566.64 ccw(c-1150.36,566.64) R531.2@-1167.43,549.57 ; -1174.5,566.64 ccw(c-1150.36,566.64) R531.2@-1167.43,549.57 ; -1174.5,566.64 ccw(c-1150.36,566.64) R531.2@-1167.43,549.57 ; -1174.5,594.41 ccw(c-1103.59,594.41) R531.2@-1153.73,544.27 ; -1174.5,594.41 ccw(c-1103.59,594.41) R531.2@-1153.73,544.27 ; -1174.5,594.41 ccw(c-1103.59,594.41) R531.2@-1153.73,544.27 ; -1174.5,594.41 ccw(c-1103.59,594.41) R531.2@-1153.73,544.27 ; -1174.5,600.86 cw(c-1150.36,600.86) R532.2@-1167.43,617.93 ; -1174.5,600.86 cw(c-1150.36,600.86) R532.2@-1167.43,617.93 ; -1174.5,600.86 cw(c-1150.36,600.86) R532.2@-1167.43,617.93 ; -1174.5,600.86 cw(c-1150.36,600.86) R532.2@-1167.43,617.93 ; R528.2@-1165.43,302.07 ccw(c-1109.74,357.77) -1109.74,279 ; R528.2@-1165.43,302.07 ccw(c-1109.74,357.77) -1109.74,279 ; R528.2@-1165.43,302.07 ccw(c-1109.74,357.77) -1109.74,279 ; R528.2@-1165.43,302.07 ccw(c-1109.74,357.77) -1109.74,279 ; -1012.87,279 cw(c-1012.87,252.77) v1(-994.32,271.32) ; -1012.87,279 cw(c-1012.87,252.77) v1(-994.32,271.32) ; -1012.87,279 cw(c-1012.87,252.77) v1(-994.32,271.32) ; U501.10@-945.17,2069.43 cw(c-927.12,2069.43) -939.89,2082.2 ; U501.10@-945.17,2069.43 cw(c-927.12,2069.43) -939.89,2082.2 ; U501.10@-945.17,2069.43 cw(c-927.12,2069.43) -939.89,2082.2 ; U501.10@-945.17,2069.43 cw(c-927.12,2069.43) -939.89,2082.2 ; -866.96,2089.05 cw(c-891.01,2065) R523.2@-857,2065 ; -866.96,2089.05 cw(c-891.01,2065) R523.2@-857,2065 ; -866.96,2089.05 cw(c-891.01,2065) R523.2@-857,2065 ; -866.96,2089.05 cw(c-891.01,2065) R523.2@-857,2065 ; R525.2@-851.07,2017.07 ccw(c-868.14,2034.14) -844,2034.14 ; R525.2@-851.07,2017.07 ccw(c-868.14,2034.14) -844,2034.14 ; R525.2@-851.07,2017.07 ccw(c-868.14,2034.14) -844,2034.14 ; R525.2@-851.07,2017.07 ccw(c-868.14,2034.14) -844,2034.14 ; R523.2@-850.07,2057.93 cw(c-864.73,2043.27) -844,2043.27 ; R523.2@-850.07,2057.93 cw(c-864.73,2043.27) -844,2043.27 ; R523.2@-850.07,2057.93 cw(c-864.73,2043.27) -844,2043.27 ; R523.2@-850.07,2057.93 cw(c-864.73,2043.27) -844,2043.27 ; -844,2034.14 ccw(c-819.86,2034.14) R525.2@-836.93,2017.07 ; -844,2034.14 ccw(c-819.86,2034.14) R525.2@-836.93,2017.07 ; -844,2034.14 ccw(c-819.86,2034.14) R525.2@-836.93,2017.07 ; -844,2034.14 ccw(c-819.86,2034.14) R525.2@-836.93,2017.07 ; -844,2038.45 cw(c-816.45,2038.45) R523.2@-835.93,2057.93 ; -844,2038.45 cw(c-816.45,2038.45) R523.2@-835.93,2057.93 ; -844,2038.45 cw(c-816.45,2038.45) R523.2@-835.93,2057.93 ; -844,2038.45 cw(c-816.45,2038.45) R523.2@-835.93,2057.93
  Top Layer w25: -2073,1435 -2038,1435 ; v3(-2025,883) U601.3@-2025,897 -2025,1002 -2075,1052 U601.7@-2075,1103 -2075,1184 -2021,1238 -2021,1329.75 -2022,1330.75 -2022,1349 -2022,1431 -2021,1432 ; -1971.19,1435 -1976.03,1435 -2038,1435 ; C600.P$1@-1610.51,1749.49 -1668.03,1807 -1894,1807 -1995,1706 -2038,1663 -2038,1435 ; U601.7@-2075.5,1071.5 ccw(c-2029.63,1071.5) -2062.06,1039.06 ; U601.7@-2075.5,1071.5 ccw(c-2029.63,1071.5) -2062.06,1039.06 ; U601.7@-2075.5,1071.5 ccw(c-2029.63,1071.5) -2062.06,1039.06 ; U601.7@-2075.5,1071.5 ccw(c-2029.63,1071.5) -2062.06,1039.06
  Mid-Layer 1 w20: v1(-1610,1747) -1594,1763 -1318,1763 v1(-1285,1730) ; v3(-1118.32,2025.49) -996.11,2025.49 ; v3(-952.17,2069.43) -996.11,2025.49 ; v3(-591,1855.44) -591,1870.46 -704.54,1984 -836,1984 -895,2043 -978.61,2043 -996.11,2025.49 ; -605.89,1885.35 cw(c-635.8,1855.44) v3@-593.5,1855.44 ; -605.89,1885.35 cw(c-635.8,1855.44) v3@-593.5,1855.44 ; -605.89,1885.35 cw(c-635.8,1855.44) v3@-593.5,1855.44 ; -605.89,1885.35 cw(c-635.8,1855.44) v3@-593.5,1855.44
  Mid-Layer 1 w25: v3(-2025,883) -2023.25,883 -2006.25,900 -1917.46,900 v1(-1910,892.54) -1898.46,881 ; v9@-1117,984 -1127,974 -1378.75,974 -1471.75,881 -1898.46,881 ; -1921.98,900 cw(c-1921.98,880.56) v1@-1908.23,894.31 ; -1921.98,900 cw(c-1921.98,880.56) v1@-1908.23,894.31 ; -1921.98,900 cw(c-1921.98,880.56) v1@-1908.23,894.31 ; -1921.98,900 cw(c-1921.98,880.56) v1@-1908.23,894.31 ; v1@-1912.43,891.94 ccw(c-1898.46,895.38) -1898.46,881 ; v1@-1912.43,891.94 ccw(c-1898.46,895.38) -1898.46,881 ; v1@-1912.43,891.94 ccw(c-1898.46,895.38) -1898.46,881 ; v1@-1911.77,890.77 ccw(c-1888.18,914.36) -1888.18,881 ; v1@-1911.77,890.77 ccw(c-1888.18,914.36) -1888.18,881 ; v1@-1911.77,890.77 ccw(c-1888.18,914.36) -1888.18,881 ; v1@-1911.77,890.77 ccw(c-1888.18,914.36) -1888.18,881 ; -1135.31,974 ccw(c-1135.31,1002.31) v9@-1115.29,982.29 ; -1135.31,974 ccw(c-1135.31,1002.31) v9@-1115.29,982.29 ; -1135.31,974 ccw(c-1135.31,1002.31) v9@-1115.29,982.29 ; -1135.31,974 ccw(c-1135.31,1002.31) v9@-1115.29,982.29
  Mid-Layer 2 w15: v1(-1929,1954.89) -1888,1995.89 -1888,2186.35 v3(-1910.32,2208.68)
  Mid-Layer 2 w20: v1(-1285,1730) -1285,1936 v3(-1267,1954) ; v3(-1155.5,542.5) -1111,587 -1111,931 ; J400.VCC@-1120,2550 -1120,2542.29 -1070.5,2492.79 -1070.5,2335.08 -1120,2285.58 v2(-1120,2215) -1118.32,2213.32 v3(-1118.32,2025.49) ; v9(-1116,983) -1111,978 -1111,931 ; -1111,960 -1111,931 ; J400.VCC@-1120,2527.5 cw(c-1120,2491.79) -1094.75,2517.04 ; J400.VCC@-1120,2527.5 cw(c-1120,2491.79) -1094.75,2517.04 ; J400.VCC@-1120,2527.5 cw(c-1120,2491.79) -1094.75,2517.04 ; J400.VCC@-1120,2527.5 cw(c-1120,2491.79) -1094.75,2517.04 ; v9@-1117.06,981.94 cw(c-1131.69,967.31) -1111,967.31 ; v9@-1117.06,981.94 cw(c-1131.69,967.31) -1111,967.31 ; v9@-1117.06,981.94 cw(c-1131.69,967.31) -1111,967.31 ; v9@-1117.06,981.94 cw(c-1131.69,967.31) -1111,967.31 ; J400.VCC@-1097.5,2550 ccw(c-1024.57,2550) -1076.14,2498.43 ; J400.VCC@-1097.5,2550 ccw(c-1024.57,2550) -1076.14,2498.43 ; J400.VCC@-1097.5,2550 ccw(c-1024.57,2550) -1076.14,2498.43 ; J400.VCC@-1097.5,2550 ccw(c-1024.57,2550) -1076.14,2498.43
  Bottom Layer w10: C608.P$1@-1600,788.3 -1579.09,809.21 ; v1(-1548.42,883.59) -1548.42,827.63 D600.A@-1530,809.21 -1579.09,809.21 ; v1(-1285,1730) -1280,1725 -1262.49,1725 ; FMU_3V3.P$1@-1160,1725 -1262.49,1725 ; v1(-994.32,271.32) U504.4@-994.32,295 ; C608.P$1@-1587.01,788.65 cw(c-1559.89,790.01) -1579.09,809.21 ; C608.P$1@-1587.01,788.65 cw(c-1559.89,790.01) -1579.09,809.21 ; C608.P$1@-1587.01,788.65 cw(c-1559.89,790.01) -1579.09,809.21 ; C608.P$1@-1587.01,788.65 cw(c-1559.89,790.01) -1579.09,809.21 ; v1@-1551.95,880.05 cw(c-1560.49,871.51) -1548.42,871.51 ; v1@-1551.95,880.05 cw(c-1560.49,871.51) -1548.42,871.51 ; v1@-1551.95,880.05 cw(c-1560.49,871.51) -1548.42,871.51 ; v1@-1551.95,880.05 cw(c-1560.49,871.51) -1548.42,871.51 ; -1548.42,871.51 cw(c-1536.35,871.51) v1@-1544.88,880.05 ; -1548.42,871.51 cw(c-1536.35,871.51) v1@-1544.88,880.05 ; -1548.42,871.51 cw(c-1536.35,871.51) v1@-1544.88,880.05 ; -1548.42,871.51 cw(c-1536.35,871.51) v1@-1544.88,880.05 ; -1546.9,809.21 cw(c-1546.9,792.31) D600.A@-1534.95,804.26 ; -1546.9,809.21 ccw(c-1546.9,826.11) D600.A@-1534.95,814.16 ; -1546.9,809.21 cw(c-1546.9,792.31) D600.A@-1534.95,804.26 ; -1546.9,809.21 ccw(c-1546.9,826.11) D600.A@-1534.95,814.16 ; -1546.9,809.21 cw(c-1546.9,792.31) D600.A@-1534.95,804.26 ; -1546.9,809.21 ccw(c-1546.9,826.11) D600.A@-1534.95,814.16 ; -1546.9,809.21 cw(c-1546.9,792.31) D600.A@-1534.95,804.26 ; -1546.9,809.21 ccw(c-1546.9,826.11) D600.A@-1534.95,814.16 ; -1546.42,825.63 ccw(c-1532.94,839.11) D600.A@-1530.79,820.17 ; -1546.42,825.63 ccw(c-1532.94,839.11) D600.A@-1530.79,820.17 ; -1546.42,825.63 ccw(c-1532.94,839.11) D600.A@-1530.79,820.17 ; -1546.42,825.63 ccw(c-1532.94,839.11) D600.A@-1530.79,820.17 ; v1@-1281.29,1733.35 ccw(c-1262.49,1750.34) -1262.49,1725 ; v1@-1281.29,1733.35 ccw(c-1262.49,1750.34) -1262.49,1725 ; v1@-1281.29,1733.35 ccw(c-1262.49,1750.34) -1262.49,1725 ; v1@-1281.29,1733.35 ccw(c-1262.49,1750.34) -1262.49,1725 ; -1196.21,1725 cw(c-1196.21,1688.79) FMU_3V3.P$1@-1170.61,1714.39 ; -1196.21,1725 ccw(c-1196.21,1761.21) FMU_3V3.P$1@-1170.61,1735.61 ; -1196.21,1725 cw(c-1196.21,1688.79) FMU_3V3.P$1@-1170.61,1714.39 ; -1196.21,1725 ccw(c-1196.21,1761.21) FMU_3V3.P$1@-1170.61,1735.61 ; -1196.21,1725 cw(c-1196.21,1688.79) FMU_3V3.P$1@-1170.61,1714.39 ; -1196.21,1725 ccw(c-1196.21,1761.21) FMU_3V3.P$1@-1170.61,1735.61 ; -1196.21,1725 cw(c-1196.21,1688.79) FMU_3V3.P$1@-1170.61,1714.39 ; -1196.21,1725 ccw(c-1196.21,1761.21) FMU_3V3.P$1@-1170.61,1735.61 ; U504.4@-997.85,274.85 ccw(c-1006.39,283.39) U504.4@-994.32,283.39 ; U504.4@-997.85,274.85 ccw(c-1006.39,283.39) U504.4@-994.32,283.39 ; U504.4@-997.85,274.85 ccw(c-1006.39,283.39) U504.4@-994.32,283.39 ; U504.4@-994.32,283.39 ccw(c-982.24,283.39) U504.4@-990.78,274.85 ; U504.4@-994.32,283.39 ccw(c-982.24,283.39) U504.4@-990.78,274.85 ; U504.4@-994.32,283.39 ccw(c-982.24,283.39) U504.4@-990.78,274.85
  Bottom Layer w20: -1262.49,1725 v1(-1114.49,1577) -963,1425.51 -963,1304.56 ; v1(-965,1284) -965,1297.44
FRAM_MISO: U600.54 U601.2 | length 1459.8
  Top Layer w10: U601.2@-2075,897 -2075,850 ; v1(-1940,870) -1940,850 -1955,835 -2060,835 -2075,850 ; v1(-1940,1050) -1935,1055 -1935,1085.55 U600.54@-1808.01,1212.54 ; U601.2@-2079.63,860.25 cw(c-2088.66,850) -2075,850 ; U601.2@-2079.63,860.25 cw(c-2088.66,850) -2075,850 ; U601.2@-2079.63,860.25 cw(c-2088.66,850) -2075,850 ; U601.2@-2079.63,860.25 cw(c-2088.66,850) -2075,850 ; U601.2@-2079.63,860.25 cw(c-2088.66,850) -2075,850 ; U601.2@-2079.63,860.25 cw(c-2088.66,850) -2075,850 ; U601.2@-2079.63,860.25 cw(c-2088.66,850) -2075,850 ; U601.2@-2079.63,860.25 cw(c-2088.66,850) -2075,850 ; U601.2@-2077.44,867.24 ccw(c-2067.24,859.96) -2076.1,851.1 ; U601.2@-2077.44,867.24 ccw(c-2067.24,859.96) -2076.1,851.1 ; U601.2@-2077.44,867.24 ccw(c-2067.24,859.96) -2076.1,851.1 ; U601.2@-2077.44,867.24 ccw(c-2067.24,859.96) -2076.1,851.1 ; -2075,850 cw(c-2061.34,850) U601.2@-2070.37,860.25 ; -2075,850 cw(c-2061.34,850) U601.2@-2070.37,860.25 ; -2075,850 cw(c-2061.34,850) U601.2@-2070.37,860.25 ; -2075,850 cw(c-2061.34,850) U601.2@-2070.37,860.25 ; -2075,850 cw(c-2061.34,850) U601.2@-2070.37,860.25 ; -2075,850 cw(c-2061.34,850) U601.2@-2070.37,860.25 ; -2075,850 cw(c-2061.34,850) U601.2@-2070.37,860.25 ; -2075,850 cw(c-2061.34,850) U601.2@-2070.37,860.25 ; U601.2@-2069.3,861.43 ccw(c-2057.49,853.01) -2067.75,842.75 ; U601.2@-2069.3,861.43 ccw(c-2057.49,853.01) -2067.75,842.75 ; U601.2@-2069.3,861.43 ccw(c-2057.49,853.01) -2067.75,842.75 ; U601.2@-2069.3,861.43 ccw(c-2057.49,853.01) -2067.75,842.75 ; v1@-1943.54,866.46 cw(c-1952.07,857.93) -1940,857.93 ; v1@-1943.54,866.46 cw(c-1952.07,857.93) -1940,857.93 ; v1@-1943.54,866.46 cw(c-1952.07,857.93) -1940,857.93 ; v1@-1943.54,866.46 cw(c-1952.07,857.93) -1940,857.93 ; v1@-1943.54,1053.54 ccw(c-1964.14,1074.14) -1935,1074.14 ; v1@-1943.54,1053.54 ccw(c-1964.14,1074.14) -1935,1074.14 ; v1@-1943.54,1053.54 ccw(c-1964.14,1074.14) -1935,1074.14 ; v1@-1943.54,1053.54 ccw(c-1964.14,1074.14) -1935,1074.14 ; -1940,857.93 cw(c-1927.93,857.93) v1@-1936.46,866.46 ; -1940,857.93 cw(c-1927.93,857.93) v1@-1936.46,866.46 ; -1940,857.93 cw(c-1927.93,857.93) v1@-1936.46,866.46 ; -1940,857.93 cw(c-1927.93,857.93) v1@-1936.46,866.46
  Mid-Layer 2 w10: v1(-1940,870) -1940,850 v1(-1940,1050) ; v1@-1943.54,866.46 cw(c-1952.07,857.93) -1940,857.93 ; v1@-1943.54,866.46 cw(c-1952.07,857.93) -1940,857.93 ; v1@-1943.54,866.46 cw(c-1952.07,857.93) -1940,857.93 ; v1@-1943.54,866.46 cw(c-1952.07,857.93) -1940,857.93 ; v1@-1943.54,866.46 cw(c-1952.07,857.93) -1940,857.93 ; v1@-1943.54,866.46 cw(c-1952.07,857.93) -1940,857.93 ; v1@-1943.54,866.46 cw(c-1952.07,857.93) -1940,857.93 ; v1@-1943.54,866.46 cw(c-1952.07,857.93) -1940,857.93 ; v1@-1943.54,873.54 ccw(c-1952.07,882.07) -1940,882.07 ; v1@-1943.54,873.54 ccw(c-1952.07,882.07) -1940,882.07 ; v1@-1943.54,873.54 ccw(c-1952.07,882.07) -1940,882.07 ; v1@-1943.54,873.54 ccw(c-1952.07,882.07) -1940,882.07 ; v1@-1943.54,1046.46 cw(c-1952.07,1037.93) -1940,1037.93 ; v1@-1943.54,1046.46 cw(c-1952.07,1037.93) -1940,1037.93 ; v1@-1943.54,1046.46 cw(c-1952.07,1037.93) -1940,1037.93 ; v1@-1943.54,1046.46 cw(c-1952.07,1037.93) -1940,1037.93 ; -1940,857.93 cw(c-1927.93,857.93) v1@-1936.46,866.46 ; -1940,857.93 cw(c-1927.93,857.93) v1@-1936.46,866.46 ; -1940,857.93 cw(c-1927.93,857.93) v1@-1936.46,866.46 ; -1940,857.93 cw(c-1927.93,857.93) v1@-1936.46,866.46 ; -1940,857.93 cw(c-1927.93,857.93) v1@-1936.46,866.46 ; -1940,857.93 cw(c-1927.93,857.93) v1@-1936.46,866.46 ; -1940,857.93 cw(c-1927.93,857.93) v1@-1936.46,866.46 ; -1940,857.93 cw(c-1927.93,857.93) v1@-1936.46,866.46 ; -1940,882.07 ccw(c-1927.93,882.07) v1@-1936.46,873.54 ; -1940,882.07 ccw(c-1927.93,882.07) v1@-1936.46,873.54 ; -1940,882.07 ccw(c-1927.93,882.07) v1@-1936.46,873.54 ; -1940,882.07 ccw(c-1927.93,882.07) v1@-1936.46,873.54 ; -1940,1037.93 cw(c-1927.93,1037.93) v1@-1936.46,1046.46 ; -1940,1037.93 cw(c-1927.93,1037.93) v1@-1936.46,1046.46 ; -1940,1037.93 cw(c-1927.93,1037.93) v1@-1936.46,1046.46 ; -1940,1037.93 cw(c-1927.93,1037.93) v1@-1936.46,1046.46
FRAM_MOSI: U600.53 U601.5 | length 310.4
  Top Layer w10: U601.5@-1975,1103 -1945.39,1103 U600.53@-1821.93,1226.46 ; U601.5@-1970.05,1098.05 cw(c-1958.1,1086.1) -1958.1,1103 ; U601.5@-1970.05,1098.05 cw(c-1958.1,1086.1) -1958.1,1103 ; U601.5@-1970.05,1098.05 cw(c-1958.1,1086.1) -1958.1,1103 ; U601.5@-1970.05,1098.05 cw(c-1958.1,1086.1) -1958.1,1103 ; U601.5@-1970.05,1107.95 ccw(c-1958.1,1119.9) -1958.1,1103 ; U601.5@-1970.05,1107.95 ccw(c-1958.1,1119.9) -1958.1,1103 ; U601.5@-1970.05,1107.95 ccw(c-1958.1,1119.9) -1958.1,1103 ; U601.5@-1970.05,1107.95 ccw(c-1958.1,1119.9) -1958.1,1103
FRAM_SCK: U600.52 U601.6 | length 389.2
  Top Layer w10: U601.6@-2025,1103 -2025,1165 -2018.98,1171.02 -2017.86,1171.02 -2003,1185.89 -2003,1187 -2000,1190 -1886.23,1190 U600.52@-1835.85,1240.38 ; U601.6@-2029.95,1139.45 ccw(c-2041.9,1151.4) -2025,1151.4 ; U601.6@-2029.95,1139.45 ccw(c-2041.9,1151.4) -2025,1151.4 ; U601.6@-2029.95,1139.45 ccw(c-2041.9,1151.4) -2025,1151.4 ; U601.6@-2029.95,1139.45 ccw(c-2041.9,1151.4) -2025,1151.4 ; -2025,1151.4 ccw(c-2008.1,1151.4) U601.6@-2020.05,1139.45 ; -2025,1151.4 ccw(c-2008.1,1151.4) U601.6@-2020.05,1139.45 ; -2025,1151.4 ccw(c-2008.1,1151.4) U601.6@-2020.05,1139.45 ; -2025,1151.4 ccw(c-2008.1,1151.4) U601.6@-2020.05,1139.45